# Altium PCB shkb.PcbDoc (part 1 of 3) (continued)
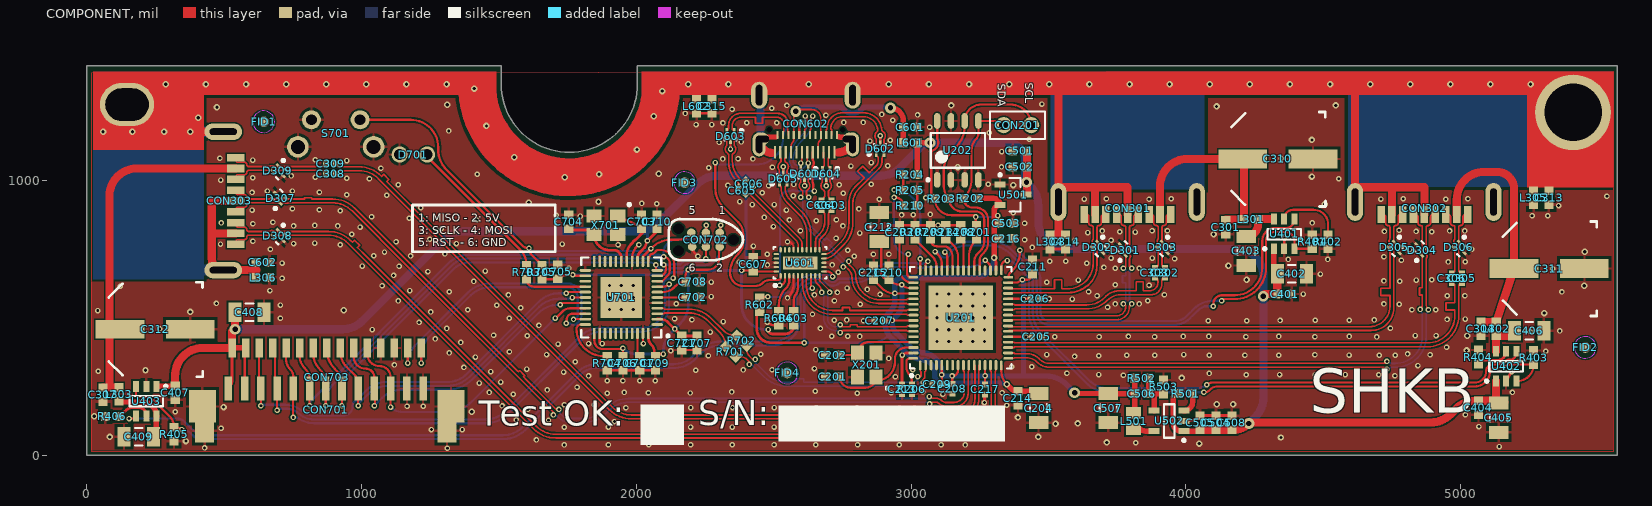
[diagram p0: COMPONENT view]
## Footprints (in the part's own frame and the unit in brackets; to place one, negate y for a bottom-side part, rotate by r counter-clockwise, add the part's x,y. Pads: shape width x height; smd on the part's side, far side on the other; paste and mask are expansions set on the pad)
ATMEGA32U4 [mm]
  oval 1.05x0.25 smd: 1(-3.325,2.5) 2(-3.325,2) 3(-3.325,1.5) 4(-3.325,1) 5(-3.325,0.5) 6(-3.325,0) 7(-3.325,-0.5) 8(-3.325,-1) 9(-3.325,-1.5) 10(-3.325,-2) 11(-3.325,-2.5) 23(3.325,-2.5) 24(3.325,-2) 25(3.325,-1.5) 26(3.325,-1) 27(3.325,-0.5) 28(3.325,0) 29(3.325,0.5) 30(3.325,1) 31(3.325,1.5) 32(3.325,2) 33(3.325,2.5)
  oval 0.25x1.05 smd: 12(-2.5,-3.325) 13(-2,-3.325) 14(-1.5,-3.325) 15(-1,-3.325) 16(-0.5,-3.325) 17(0,-3.325) 18(0.5,-3.325) 19(1,-3.325) 20(1.5,-3.325) 21(2,-3.325) 22(2.5,-3.325) 34(2.5,3.325) 35(2,3.325) 36(1.5,3.325) 37(1,3.325) 38(0.5,3.325) 39(0,3.325) 40(-0.5,3.325) 41(-1,3.325) 42(-1.5,3.325) 43(-2,3.325) 44(-2.5,3.325)
  rect 3.81x3.81 smd paste-1000: 45(0,0)
  silkscreen extent -4.44,-3.7 3.7,3.7, body extent -3.6,-3.6 3.6,3.6, height 1
C0402[1005] [mm] "Chip Resistor, 2-Leads, Body 1,00x0,50mm, IPC Medium Density"
  rect 0.55x0.55 smd: 1(-0.45,0) 2(0.45,0)
  body extent -0.32,-0.27 0.33,0.28, height 0.5
C0603[1608] [mm] "Chip Resistor, 2-Leads, Body 1,57x0,80mm, IPC Medium Density"
  rect 0.8x0.85 smd: 1(-0.65,0) 2(0.65,0)
  body extent -0.83,-0.43 0.82,0.43, height 0.5
C0805 [mm] "Chip Capacitor, Body 2.0x1.3mm, IPC High Density"
  rect 1.1x1.4 smd: 1(-0.75,0) 2(0.75,0)
  body extent -1.1,-0.72 1.1,0.72, height 1.4
C1206[3216] [mm]
  rect 1.2x1.8 smd: 1(-1.35,0) 2(1.35,0)
  silkscreen extent -0.35,-0.8 0.35,0.8, body extent -1.6,-0.9 1.6,0.9, height 1.2
C_9L_9M [mm] "Size 9L and 9M Aluminium capacitor"
  rect 4.5x1.75 smd: 1(3.25,0) 2(-3.25,0)
  silkscreen extent -4.29,-4.39 4.39,4.34, body extent -4.8,-4.26 4.8,4.24, height 6.5
DF14A-15P-1.25H [mm]
  rect 0.7x1.8 smd: 1(8.75,-5.4) 2(7.5,-5.4) 3(6.25,-5.4) 4(5,-5.4) 5(3.75,-5.4) 6(2.5,-5.4) 7(1.25,-5.4) 8(0,-5.4) 9(-1.25,-5.4) 10(-2.5,-5.4) 11(-3.75,-5.4) 12(-5,-5.4) 13(-6.25,-5.4) 14(-7.5,-5.4) 15(-8.75,-5.4)
  rect 2.5x3 smd: 16(-11.5,0) 16(11.5,0)
FIDUCIAL_NORDIC [mm]
  round 1 smd paste+0 mask+0.5: 0(0,0)
  COMPONENT keep-out circle w0.01: c0,0 r1
Fiducial_Nordic [mm]
  round 1 smd paste+0 mask+0.5: 0(0,0)
  COMPONENT keep-out circle w0.01: c0,0 r1
HD3SS3220 [mm]
  oval 0.5x0.2 smd: 1(-1.2,1.8) 2(-1.2,1.4) 3(-1.2,1) 4(-1.2,0.6) 5(-1.2,0.2) 6(-1.2,-0.2) 7(-1.2,-0.6) 8(-1.2,-1) 9(-1.2,-1.4) 10(-1.2,-1.8) 16(1.2,-1.8) 17(1.2,-1.4) 18(1.2,-1) 19(1.2,-0.6) 20(1.2,-0.2) 21(1.2,0.2) 22(1.2,0.6) 23(1.2,1) 24(1.2,1.4) 25(1.2,1.8)
  oval 0.2x0.5 smd: 11(-0.8,-2.2) 12(-0.4,-2.2) 13(0,-2.2) 14(0.4,-2.2) 15(0.8,-2.2) 26(0.8,2.2) 27(0.4,2.2) 28(0,2.2) 29(-0.4,2.2) 30(-0.8,2.2)
  rect 1.2x3.2 smd paste-1: 31(0,0)
  silkscreen extent -2.22,-2.45 1.45,2.45, body extent -1.35,-2.35 1.35,2.35, height 0.8
HDR1X2 [mm] "Connector; Header; 2 Position"
  round 1.5 hole 0.9: 1(0,0) 2(2.54,0)
  silkscreen extent -1.27,-1.27 3.81,1.27
"JST S13B-ZR-SM4A-TF(LF)(SN)" [mm]
  rect 0.7x2.2 smd: 1(0,0) 2(1.5,0) 3(3,0) 4(4.5,0) 5(6,0) 6(7.5,0) 7(9,0) 8(10.5,0) 9(12,0) 10(13.5,0) 11(15,0) 12(16.5,0) 13(18,0)
  rect 1.75x2.2 smd: 14(-2.2,3.9) 14(20.2,3.9)
  body extent -2.23,-0.53 20.27,5.97, height 3.7
"KINGBRIGHT WP934EW" [mm]
  round 1.5 hole 1 mask+0.102: 1(-1.27,0) 2(1.27,0)
  body extent -2.16,-1.9 2.16,6.98, height 7.35
L0603[1608] [mm] "Chip Resistor, 2-Leads, Body 1,57x0,80mm, IPC Medium Density"
  rect 0.8x0.85 smd: 1(-0.65,0) 2(0.65,0)
  body extent -0.83,-0.43 0.82,0.43, height 0.5
R0402[1005] [mm] "Chip Resistor, 2-Leads, Body 1,00x0,50mm, IPC Medium Density"
  rect 0.55x0.55 smd: 1(-0.45,0) 2(0.45,0)
  body extent -0.32,-0.27 0.33,0.28, height 0.5
R0603[1608] [mm] "Chip Resistor, 2-Leads, Body 1,57x0,80mm, IPC Medium Density"
  rect 0.8x0.85 smd: 1(-0.65,0) 2(0.65,0)
  body extent -0.83,-0.43 0.82,0.43, height 0.5
SOT-23-3 [mm] "3.3v regulator, used in Windsond S2 proto 1"
  rect 1x0.55 smd: 1(-1.2,0.95) 2(-1.2,-0.95) 3(1.2,0)
  silkscreen extent -1.32,-1.55 0.7,1.95, body extent -1.45,-1.5 1.1,1.5, height 1
SOT-23-5 [mm]
  rect 1x0.55 smd: 1(-1.375,0.95) 2(-1.375,0) 3(-1.375,-0.95) 4(1.375,-0.95) 5(1.375,0.95)
  silkscreen extent -1.5,-1.55 0.46,1.92, body extent -1.63,-1.5 1.58,1.5, height 0.92
SOT-23-6 [mm]
  rect 1x0.55 smd: 1(-1.375,0.95) 2(-1.375,0) 3(-1.375,-0.95) 4(1.375,-0.95) 5(1.375,0) 6(1.375,0.95)
  silkscreen extent -1.5,-1.55 0.46,1.92, body extent -1.37,-1.44 1.47,1.49, height 1.05
"STMicroelectronics M24C02-WMN6TP" [mm] "SOP, 8-Leads, Body 4.90x3.90mm, Pitch 1.27mm, IPC Medium Density"
  oval 1.45x0.6 smd: 1(-2.725,1.905) 2(-2.725,0.635) 3(-2.725,-0.635) 4(-2.725,-1.905) 5(2.725,-1.905) 6(2.725,-0.635) 7(2.725,0.635) 8(2.725,1.905)
  silkscreen extent -2.85,-2.5 1.6,2.88, body extent -3,-2.5 3,2.5, height 1.75
TC2030-IDC-NL [mm] "Tag-Connect 6-Pin with No Legs (PN# TC2030-IDC-NL)"
  round 0.9 hole 0.995 unplated: 0(-2.54,0) 0(2.54,-1.016) 0(2.54,1.016)
  round 0.79 smd paste-0.39: 1(-1.27,-0.635) 2(-1.27,0.635) 3(0,-0.635) 4(0,0.635) 5(1.35,-0.635) 6(1.27,0.635)
  silkscreen extent -3.43,-1.9 3.43,1.9
TPD2EUSB30A [mm] "SOTFL, 3-Leads, Body 1.00x1.00mm, Pitch 0.35mm, IPC Medium Density"
  rect 0.5x0.25 smd: 1(-0.5,0.35) 2(-0.5,-0.35) 3(0.5,0)
  silkscreen extent -0.62,-0.55 0.43,1.15, body extent -0.42,-0.53 0.42,0.53, height 0.5
TUSB8041_VQFN [mm]
  oval 0.9x0.25 smd: 1(-4.4,3.75) 16(-4.4,-3.75) 33(4.4,-3.75) 48(4.4,3.75)
  oval 0.95x0.25 smd: 2(-4.375,3.25) 3(-4.375,2.75) 4(-4.375,2.25) 5(-4.375,1.75) 6(-4.375,1.25) 7(-4.375,0.75) 8(-4.375,0.25) 9(-4.375,-0.25) 10(-4.375,-0.75) 11(-4.375,-1.25) 12(-4.375,-1.75) 13(-4.375,-2.25) 14(-4.375,-2.75) 15(-4.375,-3.25) 34(4.375,-3.25) 35(4.375,-2.75) 36(4.375,-2.25) 37(4.375,-1.75) 38(4.375,-1.25) 39(4.375,-0.75) 40(4.375,-0.25) 41(4.375,0.25) 42(4.375,0.75) 43(4.375,1.25) 44(4.375,1.75) 45(4.375,2.25) 46(4.375,2.75) 47(4.375,3.25)
  oval 0.25x0.9 smd: 17(-3.75,-4.4) 32(3.75,-4.4) 49(3.75,4.4) 64(-3.75,4.4)
  oval 0.25x0.95 smd: 18(-3.25,-4.375) 19(-2.75,-4.375) 20(-2.25,-4.375) 21(-1.75,-4.375) 22(-1.25,-4.375) 23(-0.75,-4.375) 24(-0.25,-4.375) 25(0.25,-4.375) 26(0.75,-4.375) 27(1.25,-4.375) 28(1.75,-4.375) 29(2.25,-4.375) 30(2.75,-4.375) 31(3.25,-4.375) 50(3.25,4.375) 51(2.75,4.375) 52(2.25,4.375) 53(1.75,4.375) 54(1.25,4.375) 55(0.75,4.375) 56(0.25,4.375) 57(-0.25,4.375) 58(-0.75,4.375) 59(-1.25,4.375) 60(-1.75,4.375) 61(-2.25,4.375) 62(-2.75,4.375) 63(-3.25,4.375)
  rect 6x6 smd paste-1000: 65(0,0)
  silkscreen extent -5.47,-4.7 4.7,4.7, body extent -4.6,-4.6 4.6,4.6, height 1
"WURTH 431256038736" [mm]
  round 1.75 hole 1 mask+0.102: 1(-2.25,0) 2(2.25,0)
  round 2 hole 1.3 mask+0.102: 3(-3.5,2.5) 3(3.5,2.5)
  body extent -4.2,-3.85 4.2,4, height 7.2
"XKB USB-A U231-091N-4BLRA00-S" [mm]
  rect 0.7x1.6 smd: 1(-3,1.15) 2(-1,1.15) 3(1,1.15) 4(3,1.15) 5(4,1.15) 6(2,1.15) 7(0,1.15) 8(-2,1.15) 9(-4,1.15)
  oval 1.5x3.5 hole 0.6 slot 2.5 at 90 deg: G(-6.4,0) G(6.4,0)
  body extent -7.25,-12.62 7.25,1.6, height 7.65
"XKB USB-C U262-241N-4BV64" [mm]
  rect 0.2x1.2 smd: A1(-2.63,3) A2(-2.13,3) A3(-1.63,3) A4(-1.13,3) A5(-0.63,3) A6(-0.13,3) A7(0.37,3) A8(0.87,3) A9(1.37,3) A10(1.87,3) A11(2.37,3) A12(2.87,3)
  rect 0.2x0.75 smd: B1(2.62,1.4) B2(2.12,1.4) B3(1.62,1.4) B4(1.12,1.4) B5(0.62,1.4) B6(0.12,1.4) B7(-0.38,1.4) B8(-0.88,1.4) B9(-1.38,1.4) B10(-1.88,1.4) B11(-2.38,1.4) B12(-2.88,1.4)
  oval 1.5x2.5 hole 0.6 slot 1.9 at 90 deg: G(-4.32,-2.275) G(4.32,-2.275)
  oval 1.2x2.2 hole 0.6 slot 1.6 at 90 deg: G(-4.32,2.275) G(4.32,2.275)
  round 1.2 hole 0.6 slot 1.2 at 0 deg: G(-4.013,1.778) G(4.013,1.778)
  round 0 hole 0.5 unplated: ""(-3.4,0.925) ""(3.4,0.925)
  body extent -4.63,-4.98 4.63,3.12, height 3.35
XTAL-3225 [mm]
  rect 1.4x1.2 smd: 1(-1.1,-0.85) 2(1.1,-0.85) 3(1.1,0.85) 4(-1.1,0.85)
  silkscreen extent -2.28,-2.03 -2.03,-1.78, body extent -1.6,-1.25 1.6,1.25, height 0.65

## Part data
C201 C202: library part Cap, "Capacitor", JLC=BASIC, LCSC MFG="Samsung Electro-Mechanics", LCSC Part #=C1656, MRF.Part=CL10C270JB8NNNC, Version="0603 imperial"
C203 C504 C508 C702 C709: library part Cap, "Capacitor", JLC=BASIC, LCSC MFG="Samsung Electro-Mechanics", LCSC Part #=C15849, MFG=KEMET, MFGPN=C0603C105K4RACTU, MRF.Part=CL10A105KB8NNNC, Version="0603 imperial"
C204 C212 C403 C406 C409 C507: library part Cap, "Capacitor", JLC=BASIC, LCSC MFG="Samsung Electro-Mechanics", LCSC Part #=C13585, MFG=KEMET, MFGPN=C1206C106K4PACTU, MRF.Part=CL31A106KBHNNNE, Version="1206 imperial"
C205 C206 C207 C208 C209 C213 C217 C302 C303 C305 C306 C308 C309 C603 C604 C605 C606: library part Cap, "Capacitor", JLC=BASIC, LCSC MFG="Samsung Electro-Mechanics", LCSC Part #=C1525, MFG=KEMET, MFGPN=C0402C104K8PACTU, MRF.Part=CL05B104KO5NNNC, Version="0402 imperial"
C210 C211 C214 C215 C216 C301 C304 C307 C313 C314 C315 C401 C404 C407 C505 C601 C602 C607 C701 C705 C706 C707 C708 C710 C721: library part Cap, "Capacitor", JLC=BASIC, LCSC MFG=YAGEO, LCSC Part #=C14663, MFG=KEMET, MFGPN=C0603C104M5RACTU, MRF.Part=CC0603KRX7R9BB104, Version="0603 imperial"
C310 C311 C312: library part Cap, "Capacitor", JLC=EXTENDED, LCSC MFG=Lelon, LCSC Part #=C250088, MFG="Würth Elektronik", MFGPN=865080349011, MRF.Part=OVZ121M1CTR-0807, Version="SMD - 9L or 9M"
C402 C405 C408: library part Cap, "Capacitor", JLC=BASIC, LCSC MFG="Guangdong Fenghua Advanced Tech", LCSC Part #=C29823, MFG=KEMET, MFGPN=C1206C475K4PACTU, MRF.Part=1206B475K500NT, Version="1206 imperial"
C501 C502 C503: library part Cap, "Capacitor", LCSC MFG="Samsung Electro-Mechanics", LCSC Part #=C15849, MFG=KEMET, MFGPN=C0603C104M5RACTU, MRF.Part=CL10A105KB8NNNC, Version="0603 imperial"
C506 C703 C704: library part Cap, "Capacitor", JLC=BASIC, LCSC MFG="Samsung Electro-Mechanics", LCSC Part #=C1647, MFG=KEMET, MFGPN=C0603C180J5GACAUTO, MRF.Part=CL10C180JB8NNNC, Version="0603 imperial"
CON201: "Header, 2-Pin", LatestRevisionDate=17-Jul-2002, LatestRevisionNote="Re-released for DXP Platform.", Publisher="Altium Limited"
CON301 CON302 CON303: JLC=NONE, LCSC MFG="XKB Connectivity", LCSC Part #=C381140, MRF.Part=U231-091N-4BLRA00-S-1
CON602: library part "XKB USB-C u262-241n-4bv64", JLC=U262-241N-4BV64, LCSC MFG="XKB Connectivity", LCSC Part #=C388660, MRF.Part=U262-241N-4BV64
CON701: library part "Header 14", JLC=NONE, LCSC MFG="JST Sales America", LCSC Part #=C265326, MFG="JST Sales America Inc", MFGPN=S13B-ZR-SM4A-TF(LF)(SN), MRF.Part=S13B-ZR-SM4A-TF(LF)(SN)
CON702: library part "Header 3X2", "Header, 3-Pin, Dual row", JLC=DNP
CON703: library part DF14A-15P-1.25H, JLC=NONE, LCSC MFG=HRS(Hirose), LCSC Part #=C597889, MFG="Hirose Electric Co Ltd", MFGPN=DF14A-15P-1.25H(26), MRF.Part=DF14A-15P-1.25H(26)
D301 D302 D303 D304 D305 D306 D307 D308 D309 D601 D602 D603 D604 D605: JLC=NONE, LCSC MFG="TECH PUBLIC", LCSC Part #=C2844720, MFG="Texas Instruments", MFGPN=TPD2EUSB30ADRTR, MRF.Part=TPD2EUSB30DRTR-TP
D701: "Typical RED GaAs LED", JLC=NONE, LCSC MFG=MEIHUA, LCSC Part #=C417351, MFG=Kingbright, MFGPN=WP934EW/GD, MRF.Part=MHK1373CGBCT, Version="Kingsbright LED"
FID1 FID2 FID3 FID4: JLC=DNP
L301 L302 L303 L304 L305 L306 L601 L602: JLC=EXTENDED, LCSC MFG="Murata Electronics", LCSC Part #=C85832, MFG="Murata Electronics North America", MFGPN=BLM18KG221SN1D, MRF.Part=BLM18KG331SN1D, Version="0603 imperial"
L501: JLC=Yes, LCSC MFG=TDK, LCSC Part #=C107322, MFG=TDK, MFGPN=MLP2012S2R2MT0S1, MRF.Part=MLP2012S2R2MT0S1
R201 R202 R203 R207 R208 R209 R210 R214 R604: library part Res1, "Resistor", JLC=BASIC, LCSC MFG="Uniroyal Elec C25804 Vishay Dale RCA060310K0FKEA 0603WAF1002T5E 10K", LCSC Part #=C25804, MFG="Vishay Dale", MFGPN=RCA060310K0FKEA, MRF.Part=0603WAF1002T5E, Version="0603 imperial"
R204: library part Res1, "Resistor", JLC=EXTENDED, LCSC MFG="Uniroyal Elec", LCSC Part #=C51222, MFG="Vishay Dale", MFGPN=CRCW060390K9FKEA, MRF.Part=TC0325D9092T5E, Version="0603 imperial"
R205 R501 R704 R705: library part Res1, "Resistor", JLC=BASIC, LCSC MFG="Uniroyal Elec", LCSC Part #=C25804, MFG="Vishay Dale", MFGPN=RCA060310K0FKEA, MRF.Part=0603WAF1002T5E, Version="0603 imperial"
R206: library part Res1, "Resistor", JLC=EXTENDED, LCSC MFG="Uniroyal Elec", LCSC Part #=C96273, MRF.Part=0402WGF9531TCE, Version="0402 imperial"
R401 R403 R405: library part Res1, "Resistor", JLC=BASIC, LCSC MFG="Uniroyal Elec", LCSC Part #=C25819, MFG="Vishay Dale", MFGPN=RCA060347K0FKEA, MRF.Part=0603WAF4702T5E, Version="0603 imperial"
R402 R404 R406: library part Res1, "Resistor", JLC=BASIC, LCSC MFG="Uniroyal Elec", LCSC Part #=C22928, MFG="Vishay Dale", MFGPN=CRCW060328K7FKEA, MRF.Part=0603WAF2872T5E, Version="0603 imperial"
R502: library part Res1, "Resistor", JLC=EXTENDED, LCSC MFG="Uniroyal Elec", LCSC Part #=C22914, MFG="Vishay Dale", MFGPN=CRCW0603237KFKEA, MRF.Part=0603WAF2373T5E, Version="0603 imperial"
R503 R602: library part Res1, "Resistor", JLC=BASIC, LCSC MFG="Uniroyal Elec", LCSC Part #=C25811, MFG="Vishay Dale", MFGPN=CRCW0603200KFKEB, MRF.Part=0603WAF2003T5E, Version="0603 imperial"
R603: library part Res1, "Resistor", JLC=EXTENDED, LCSC MFG="Uniroyal Elec", LCSC Part #=C22935, MFG="Vishay Dale", MFGPN=CRCW0603909KFKEA, MRF.Part=0603WAF9093T5E, Version="0603 imperial"
R701 R702: library part Res1, "Resistor", JLC=BASIC, LCSC MFG="Uniroyal Elec", LCSC Part #=C23345, MFG="Vishay Dale", MFGPN=CRCW060322R0FKEAC, MRF.Part="0603WAF220JT5E  0603WAF220JT5E", Version="0603 imperial"
R703: library part Res1, "Resistor", JLC=BASIC, LCSC MFG="Uniroyal Elec", LCSC Part #=C21190, MFG="Vishay Dale", MFGPN=0603WAF1001T5E, MRF.Part=0603WAF1001T5E, Version="0603 imperial"
S701: "Switch", JLC=NONE, LCSC MFG="Korean Hroparts Elec", LCSC Part #=C127680, MFG="Wurth Electronics Inc", MFGPN=431256038736, MRF.Part=K2-1102AQ-C4CW-01
U201: JLC=NONE, LCSC MFG="Texas Instruments", LCSC Part #=C702389, MFG="Texas Instruments", MFGPN=TUSB8042RGCT, MRF.Part=TUSB8042RGCR
U202: library part "STMicroelectronics M24C02-WMN6TP", JLC=BASIC, LCSC MFG=STMicroelectronics, LCSC Part #=C7562, MRF.Part=M24C02-WMN6TP, Version="SO8 2KB"
U401 U402 U403: JLC=EXTENDED, LCSC MFG="Texas Instruments", LCSC Part #=C140331, MRF.Part=TPS2552DBVR-1
U501: LCSC MFG="Torex Semicon", LCSC Part #=C5446, MFG="Texas Instruments", MFGPN=TPS7A0533PDBZ, MRF.Part=XC6206P332MR
U502: JLC=NONE, LCSC MFG="Texas Instruments", LCSC Part #=C52027, MFG="Texas Instruments", MFGPN=LM3674MF-ADJ/NOPB, MRF.Part=LM3674MF-ADJ/NOPB
U601: JLC=NONE, LCSC MFG="Texas Instruments", LCSC Part #=C165155, MFG="Texas Instruments", MFGPN=HD3SS3220RNHR, MRF.Part=HD3SS3220RNHR
U701: JLC=EXTENDED, LCSC MFG="Microchip Tech", LCSC Part #=C45874, MFG="Microchip Technology", MFGPN=ATMEGA32U4-MUR, MRF.Part=ATMEGA32U4-MUR
X201: "Crystal Oscillator", JLC=EXTENDED, LCSC MFG="Seiko Epson", LCSC Part #=C91744, MFG=EPSON, MFGPN="TSX-3225 24.0000MF18X-C0", MRF.Part=X1E0000210264, Version="3225, 18pF"
X701: "Crystal Oscillator", JLC=BASIC, LCSC MFG="Yangxing Tech", LCSC Part #=C13738, MRF.Part=X322516MLB4SI

## Free pads (board coordinates)
  oval 196.85x157.48 hole 118.11 slot 157.48 at 0 deg paste-39.37: ""(145.69,1275.81)
  round 275.59 hole 208.66: ""(5409.75,1247.47)

## Via types
v1: diameter 20, hole 10, COMPONENT to SIGNAL, tented both sides, 532 vias
v2: diameter 23.62, hole 11.81, COMPONENT to SIGNAL, tented both sides, 83 vias
v3: diameter 20, hole 11.81, COMPONENT to SIGNAL, 37 vias
v4: diameter 39.37, hole 19.68, COMPONENT to SIGNAL, tented both sides, 8 vias

## Nets (pads, with @x,y where several pads share a name; then routed paths per layer and width w, separated by ;. In a path a pad name is that pad's centre, name@x,y a point inside that pad or via, vN(x,y) a via of type N, cw(c..) or ccw(c..) an arc to the next point about the centre after c; other vN are vias at no path point)
GND: C201.1 C202.1 C203.2 C204.1 C205.1 C206.1 C207.1 C208.1 C209.1 C210.1 C211.1 C212.1 C213.1 C214.1 C215.1 C216.1 C217.1 C301.1 C304.1 C307.1 C310.1 C311.1 C312.1 C313.1 C314.1 C315.1 C401.1 C402.1 C403.1 C404.1 C405.1 C406.1 C407.1 C408.1 C409.1 C501.1 C502.1 C503.1 C504.1 C505.1 C507.1 C508.1 C601.1 C602.1 C607.1 C701.2 C702.2 C703.1 C704.1 C705.1 C706.1 C707.1 C708.1 C709.1 C710.1 C721.1 CON701.1 CON701.2 CON701.14 CON702.6 CON703.12 CON703.13 CON703.16 D301.3 D302.3 D303.3 D304.3 D305.3 D306.3 D307.3 D308.3 D309.3 D601.3 D602.3 D603.3 D604.3 D605.3 D701.1 L304.1 L305.1 L306.1 L602.1 R205.2 R206.1 R207.1 R208.1 R209.1 R210.1 R214.1 R401.2 R402.2 R403.2 R404.2 R405.2 R406.2 R503.2 R604.2 R704.1 S701.2 S701.3 U201.65 U202.1 U202.2 U202.3 U202.4 U202.7 U401.2 U402.2 U403.2 U501.1 U502.2 U601.4 U601.12 U601.13 U601.22 U601.28 U601.29 U601.31 U701.5 U701.15 U701.23 U701.35 U701.43 U701.45 X201.2 X201.4 X701.2 X701.4 | length 2187.5
  COMPONENT w7.87: v3(1901.69,617) v3(1945,573.69) ; CON702.6@2203,759 ccw(c2236.8,759) 2212.9,735.1 v1(2224,724) ; v1(2342.52,1113.95) D603.3@2342.52,1141.73 ; v1(2476,484) ccw(c2503.98,511.98) 2503.98,472.41 R604.2@2518,472.41 ; D605.3@2534.42,1026.06 v1(2534.43,1049.69) ; v1(2550,777) cw(c2550,754.62) 2572.38,754.62 U601.22@2572.38,747.24 ; v1(2611.98,980.31) D601.3@2612,1003.94 ; v1(2690.98,980.31) D604.3@2691,1003.94 ; U401.2@4358,750.87 v1(4358,789)
  COMPONENT w8: U701.35@1866.26,442.79 1866.26,415.74 ccw(c1876,415.74) v1(1876,406) ; U701.15@1984.37,704.6 1984.37,714.19 cw(c2054.8,714.19) 1996.07,753.07 cw(c2054.8,714.19) 2005,764 2007,766 v1(2009,766) ; U701.43@2023.74,442.79 2023.74,407.9 v1(2025.5,406.14) ; C721.1@2165,382.41 C707.1@2221,382.41 ; v1@2550,578 v1(2550,572) 2551.74,573.74 ccw(c2501.91,623.57) 2572.38,623.57 U601.4@2572.38,652.76 ; v1(2735,666) v1@2735,671
  COMPONENT w10: R704.1@1894,309.06 C706.1@1951,309.06 C709.1@2065,309.06 ; L602.1@2218.5,1244.09 C315.1@2275.5,1244.09 ; D602.3@2887.22,1134.52 v1(2887.22,1162.3) ; C210.1@2919.02,689.02 C210.1@2919.02,697.98 ; C203.2@2958.02,836.61 R209.1@3070,836.61 R214.1@3126,836.61 R208.1@3181,836.61 ; R210.1@3022.59,908 R205.2@3022.6,964 ; v1(3267,191) 3267,219.28 C217.1@3269,221.28 ; L304.1@3505,750.41 C314.1@3562,750.41 ; U502.2@3992.88,124.28 4005.12,124.28 ccw(c4005.12,190.58) 4052,143.7 C504.1@4110,143.7 C508.1@4168,143.7 ; U402.2@5165.83,269.42 v2(5186,306)
  COMPONENT w19.68: C301.1@4144.41,804 C301.1@4145,803.41 ; C403.1@4220,689.85 C403.1@4226,683.85
  GND1 w8: v3(1945,530.39) v3(1945,573.69) v3(1945,617) ; v3(3094.08,456.44) v3(3137.39,456.44) ; v3(3137.39,499.75) v3(3137.39,543.06) ; v3(3137.39,586.36) v3(3137.39,543.06) ; v3(3180.69,586.36) v3(3180.69,543.06) ; v3(3224,413.14) v3(3224,456.44) ; v3(3224,499.75) v3(3224,456.44) ; v3(3224,543.06) v3(3224,586.36) ; v3(3267.31,456.44) v3(3224,456.44) ; v3(3137.39,543.06) v3(3180.69,543.06) ; v3(3180.69,543.06) v3(3180.69,499.75) v3(3180.69,456.44) v3(3224,456.44)
  GND1 w10: v3(3094.08,499.75) v3(3137.39,499.75) ; v3(3224,499.75) v3(3224,543.06)
  other v1: 1312,25 428,26 5141,31 1737,37 3197,37 1898,38 2045,38.01 2197,38.02 2349,38.02 2501,38.03 2653,38.04 2805,38.05 2957,38.06 3109,38.06 3818,45 1636,55 3275,61 1254,93 1366,93 488,98 1737,100.99 1898,101.99 2045,102 2197,102.01 2349,102.02 2501,102.02 2653,102.03 2805,102.04 2957,102.05 3109,102.06 5067,104 3218,110 1920,122 1680,127 3320,127 1563,128 5018,147 321,158 1605,166 2956,171 3014,171 1962,172 2803,172 2046,172.96 2198,172.97 2350,172.98 2502,172.98 2654,172.99 1164.95,178 1224,178 1511,179 3348,181 1738,183 1847,184 1552,221 3116,221 1894,225 2804,225 2196,226 2044,227 2927,227 3330.99,227 1464,228 1956,228 5189,228 2347,230 2502,230 3043,230 2651,232 1675,237 1784,247 1428,262 1506,266 1894,271 1951,271 2012.5,271 2069,271 2943,285 1826,288 4761,289 3773,291 4220,292 4702,292 3683,293 4341,293 4471,293 4580,293 4085,297 3567,298 1735,302 1470,304 41,305 2216,309 2389,310 2494,311 3006,311 1601,313 2648,315 1372,319 3366,322 3439,322 4845,326 1119,328 1777,340 2919,352 1414,357 3595,359 2262,362 3683,362 3785,363 3887,363 4085,363 4215,363 4338,363 4704,363 4762,363 4594,364 4470,365 4889,365 1673,366 3494,366 3992,366 2453,367 4807,368 1319,372 1538,376 5310,378 2125,380 2653,384 4949,393 1715,404 1826,406 1361,410 1268,423 4695,430 3523,431 3684,431 3886,431 4219,431 4470,431 2813,432 3791,432 3991,432 4083,432 4338,432 4595,432 2711,433 2769,433 1603,434 4835,435 4911,435 1480,436 2269,448 5253,449 5361,452 1038,457 265,459 1310,461 2670,461 4745,462 1645,472 1209,483 2316,486 2827,489 4082,489 4222,489 4343,490 2720,491 4471,491 4595,491 2766,492 4686,492 2202,493 4951,494 5017,495 2139,496 704,498 1537,498 2641,513 1251,521 39,526 1386,529 4823,529 4910,529 1579,536 3715,538 1492,545 704,546 2815,549 4777,549 3743,550 3830,550 4721,550 2145,551 471,552 1133,561 2721,562 3861,562 3587,568 3503,569 2272,577 3677,580 4952,580 5016,580 1534,583 2648,583 3922,584 2887,585 4427,586 2732,592 5369,594 1319,595 3646,595 666,599 1175,599 2840,603 2767,608 121,615 1074,616 3866,618 3743,620 3494,629 2272,630 1408,632 4779,633 4721,634 3608,637 4839,637 4895,638 710,644 1116,654 4490,659 1241,668 1450,670 2820,672 5336,678 1754,680 3743,680 3830,680 3702,683 1136,687 1002,688 2477,692 2713,692 3639,698 710,699 2375,702 4955,703 5017,704 3505,706 3563,706 4785,709 4373,712 4517,712 3959,715 3728,717 3878,717 4721,722 2793,724 1178,725 1044,726 2476,731 2863,731 2919.1,731 1303,732 1083,739 2769,746 4815,748 668,749 5040,750 3441,756 2426,761 922,766 1933,766 486,768 1730,768 752,770.01 1345,770 829,772.01 1125,777 604,778.01 3596,782 3728,782 3413,784 1248,786 2727,789 964,804 2813,808 3643,810 3816,812 3759,813 4895,813 4723,814 4838,814 3696,816 4960,816 5015,816 2597,817 3877,817 3933,817 4776,818 1290,824 994,830 2499,832 752,834 913,834 2752,834 829,836 3098,837 604,842 3413,844 489,845 4460,845 677,848 2655,853 2557,856 1419,857 2728,857 1173,862 2465,865 1036,868 1796,870 5260.27,871 5317.35,871 1708,873 2965,874 3008,875 3070,876 3372,883 922,889 601,892.01 2546,892 846,893.01 2810,896 748,897.01 2752,898 1215,900 5356.76,908.41 2422,912 2502,912 2074,915 2019,916 2376,923 2884,931 3866,931 4946.12,931 3630,932 4710.12,932 3711,933 3947,933 4791.12,933 5027.12,933 3053,937 5533,942 2571,944 1091,946 946,948 2753,953 2458,955 601,956 846,957 657,961 748,961 2481,980 2333,982 1133,984 2738,984 2573,985 2855,986 3281,986 487,1001 1028,1006 4557,1006 946,1008.01 603,1010.01 831,1011.01 744,1016 1421,1022 1070,1044 2263,1046 2495,1048 3329,1049 2781,1052 2915,1053 2855,1065 946,1072 603,1074 831,1075 2314,1078 2424,1078 2370,1079 4347.65,1079.64 484,1081 3330,1105 2301,1138 2382,1140 2850,1143 2924,1146 3430,1150 3285,1173 1317,1180 3067,1193 2217,1203 2274,1203 2315,1209 2401.95,1209.67 2511,1210 2755,1211 2826,1211 2933,1219 2690,1237 3023.59,1238.41 2893,1240 2177.4,1243.6 2348,1259 2493,1263 2548,1273 3476,1278
  other v2: 4049,42 3712,46 360,51 4346,64 83,66 3463,66 3526,114 3607,115 3389,137 26,141 1401,158 497,175 4113,185 4172,185 3985,281 213,309 5022,381 5024,434 5305,517 376,521 935,527 5450,616 4221,638 4155,689 5452,740 4101,804 4506,913 1608,919 1862,922 3372,983 4459,1014 2081,1024 3170,1048 4459,1147 473,1266 4112,1269 3146,1273 4546,1273 1311,1275
  other v3: 3094.08,413.14 3137.39,413.14 3180.69,413.14 3267.31,413.14 3267.31,499.75 1901.69,530.39 1988.31,530.39 3094.08,543.06 3267.31,543.06 1901.69,573.69 1988.31,573.69 3094.08,586.36 3267.31,586.36 1988.31,617 2556.63,700 2596,700 2635.37,700
MCU_D_N: R701.1 U201.2 | length 790
  COMPONENT w6: R701.1@2361.55,358.35 2379.84,358.35 cw(c2379.84,327.19) 2401.87,349.23 2411,340.1 v1(2411,330) ; v1@3041.9,273.1 3049.9,281.1 3049.9,302.96 3052.74,305.81 U201.2@3052.74,327.51
  SIGNAL w6: v1(2411,330) 2420.2,330 2465.85,284.35 ccw(c2546.37,364.88) 2465.91,284.29 ccw(c2546.37,364.88) 2546.37,251 3002.01,251 ccw(c3002.01,295.38) 3033.4,264 v1(3045,264)
MCU_D_P: R702.1 U201.1 | length 782.5
  COMPONENT w6: R702.1@2401.45,398.45 2401.45,384.62 ccw(c2438.07,384.62) 2412.15,358.75 ; 2412.17,358.72 2422.9,348 v1(2433,348) ; v1@3032,283 3035.9,286.9 3035.9,302.96 3033.06,305.81 U201.1@3033.06,326.52
  SIGNAL w6: v1(2433,348) 2433,337 2475.71,294.29 ccw(c2546.42,365) 2475.77,294.23 ccw(c2546.42,365) 2546.42,265 2574,265 2583,265 2583,278.33 2609,278.33 2609,265 2638,265 3001.31,265 ccw(c3001.31,297.09) 3024,274.4 v1(3024,286)
MCU_D_PRE_N: R701.2 U701.3 | length 311.9
  COMPONENT w6: U701.3@2075.91,514.64 2099.57,514.64 2102.42,517.48 2191.1,517.48 cw(c2191.1,417.48) 2261.81,488.19 2305,445 cw(c2255.86,395.86) 2325.35,395.86 R701.2@2325.35,394.54
MCU_D_PRE_P: R702.2 U701.4 | length 322.6
  COMPONENT w6: U701.4@2075.91,534.32 2099.57,534.32 2102.42,531.48 2191.16,531.48 cw(c2191.16,417.63) 2271.67,498.13 2313.87,455.92 ccw(c2365.26,507.31) R702.2@2365.26,434.64
MCU_RXD1: U701.20
MCU_SCL: U701.18
MCU_SDA: U701.19
MCU_TXD1: U701.21 | length 19.1
  COMPONENT w8: U701.21@1866.26,704.6 U701.21@1866.26,723.74
MISO: CON701.6 CON702.1 CON703.8 U701.11 | length 2052.9
  COMPONENT w8: CON703.8@872.49,389.76 872.49,384.93 ccw(c972.49,384.93) 901.78,314.22 903,313 cw(c841.98,251.98) 928.28,251.98 CON701.6@928.28,242 v1@928.28,181.28 ; v1(2071,692) 2071,677.02 U701.11@2075.91,672.12 ; CON702.1@2303,809 v1(2307,837) v1@2312,837
  SIGNAL w8: v1@928.28,181.28 928.28,229.26 cw(c1028.28,229.26) 957.56,299.97 1153.8,496.2 1337.67,680.08 cw(c1388.56,629.14) 1366.65,697.73 cw(c1392.56,601.14) 1392.56,701.14 2048.93,701.14 cw(c2048.93,669.93) 2070.99,692.01 2086,678.28 ccw(c2099.5,693.04) 2104.91,673.79 2123.59,679.03 cw(c2133.38,644.38) 2133.5,680.38 2140,680.37 2164.4,680.37 ccw(c2164.4,688.37) 2171.43,684.55 cw(c2189,675) 2200.41,691.43 ccw(c2204.97,698) 2204.97,690 2234,690 2242,690 ccw(c2242,715) 2242.07,690 ccw(c2242,715) 2243.67,690.06 ccw(c2241,754) 2305,754 2305,835 cw(c2307,835) v1(2307,837)
  other v1: 928.28,180